# Altium PCB Freezer_Power.PcbDoc (part 1 of 3) (continued)
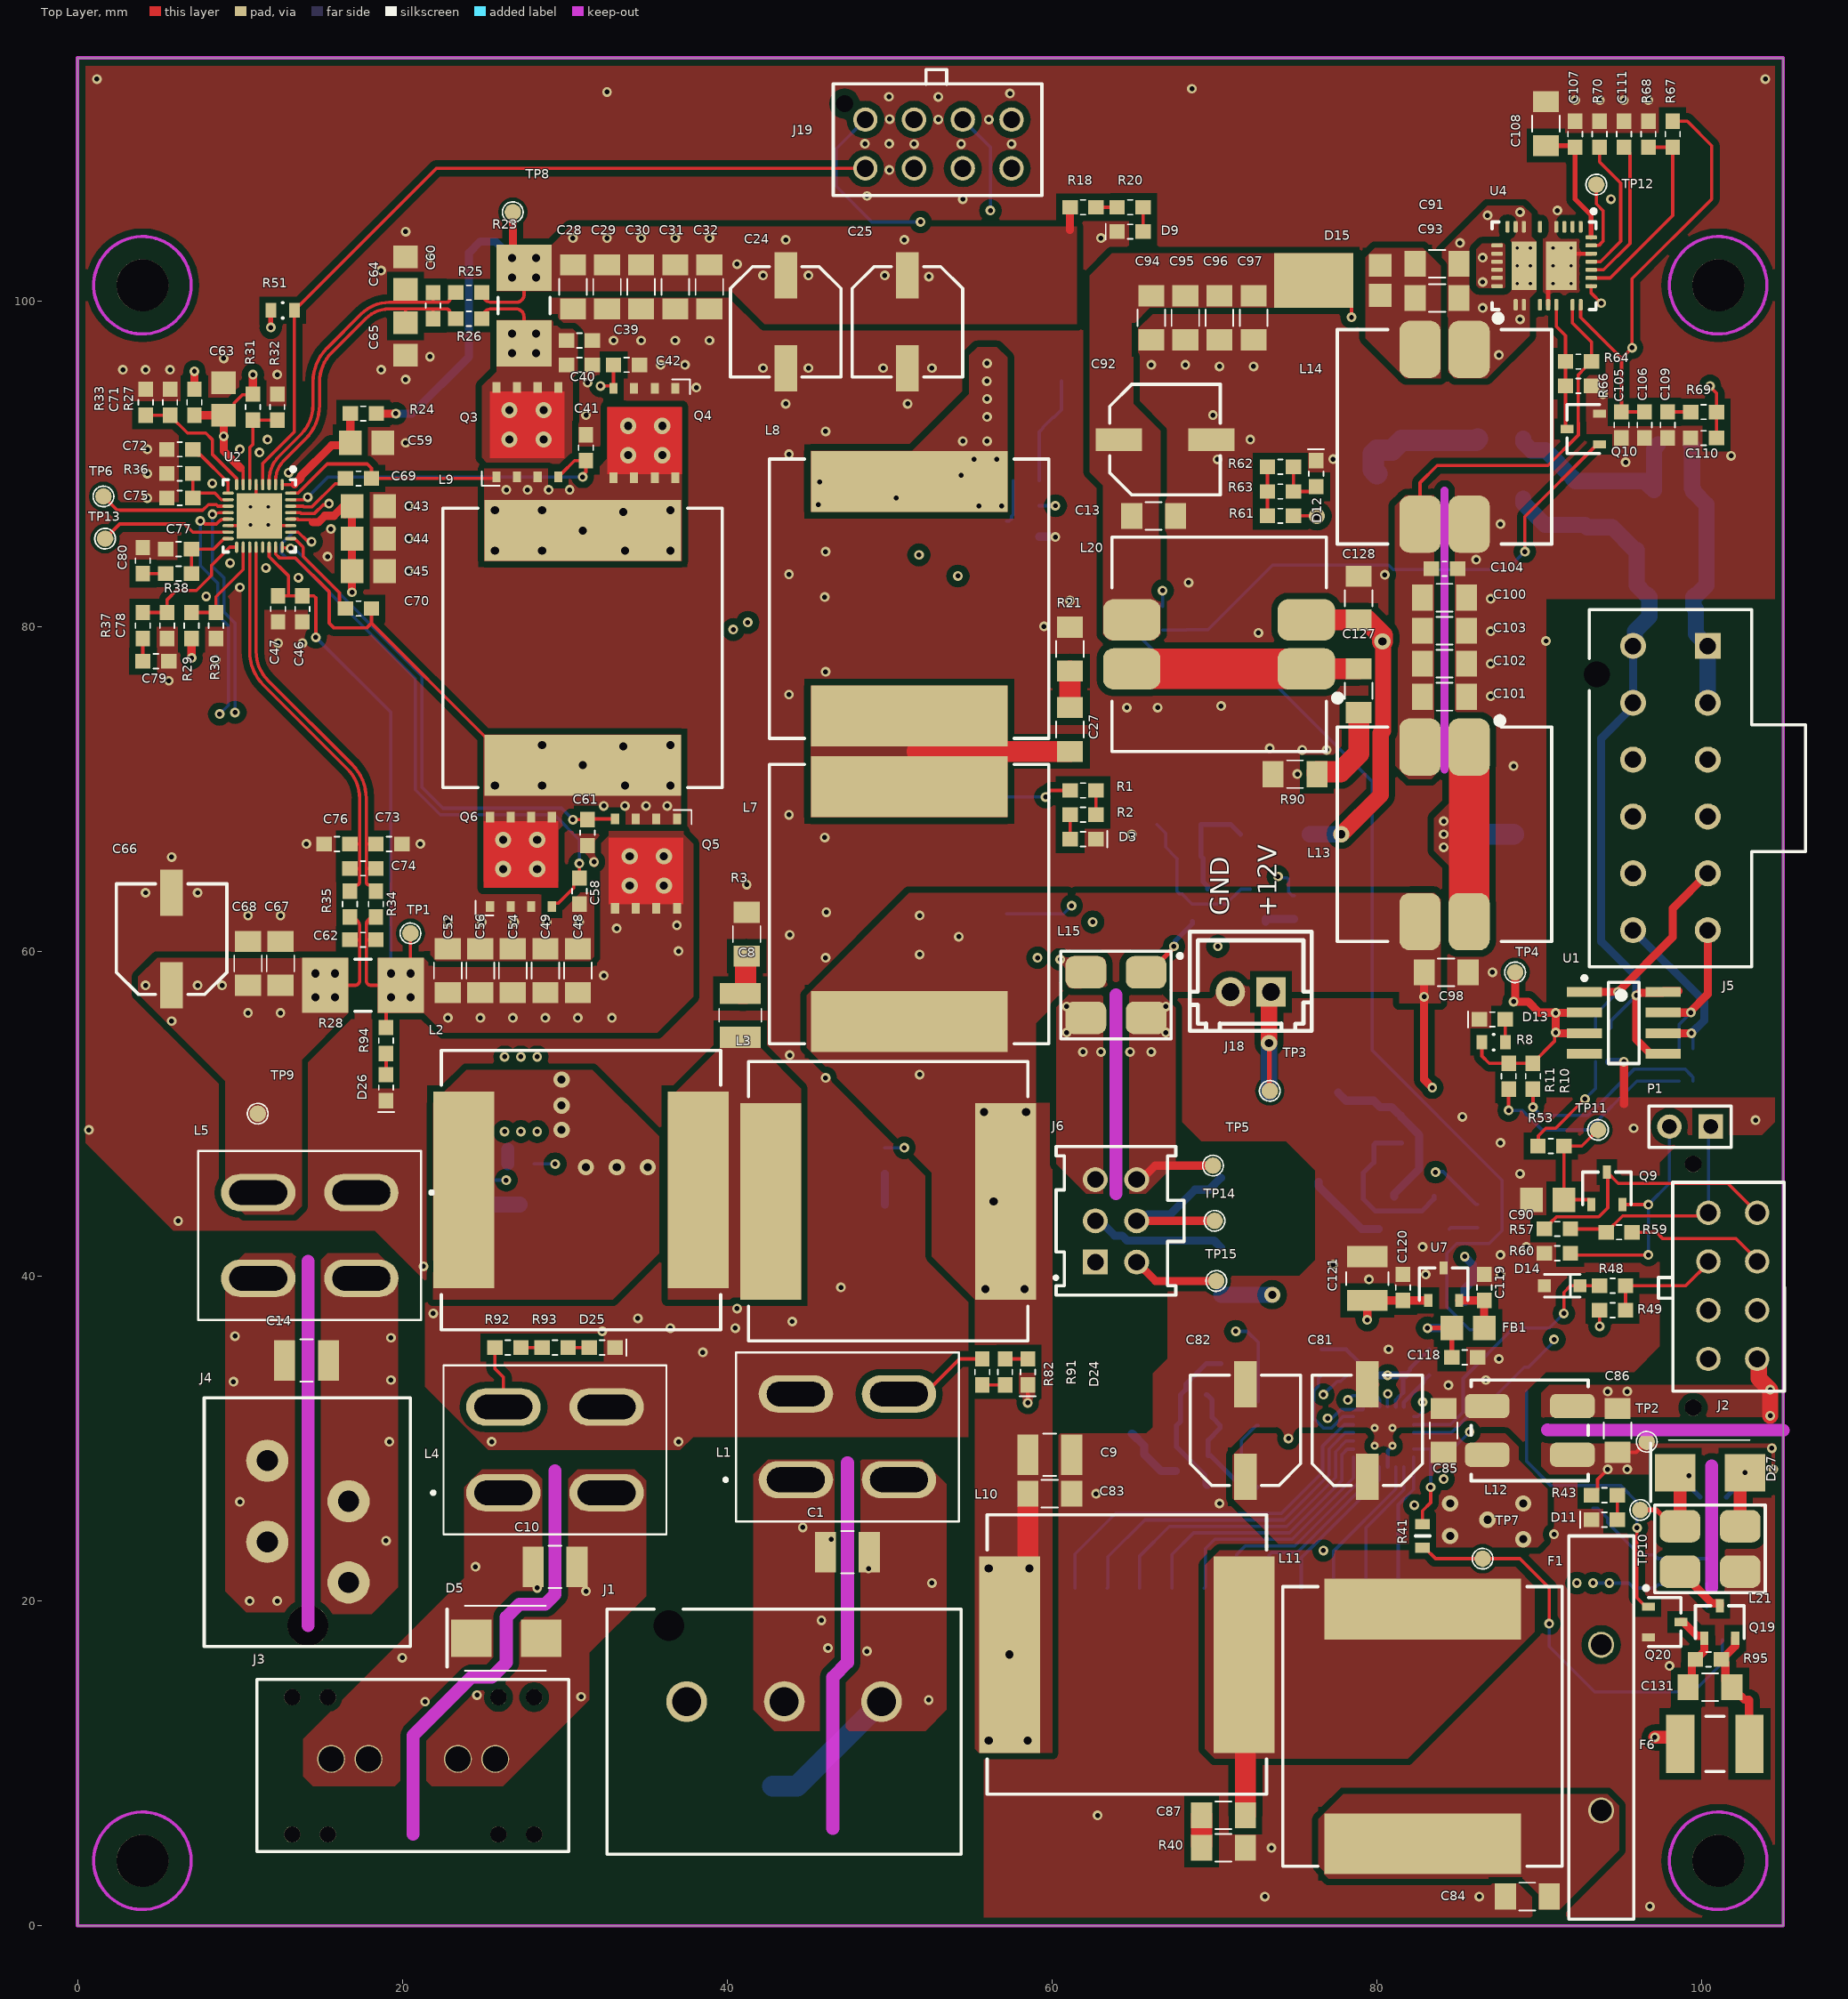
[diagram p0: Top Layer view]
## Design rules (kind name [scope] priority, off if disabled: settings)
Clearance Clearance_polygon [All vs InPolygon] p1: gap=0.4 ignorepadtopadclearanceinfootprint=TRUE
Clearance CLR_CHASSIS [InNet('CHASSIS') vs InAnyNet] p2: gap=4 ignorepadtopadclearanceinfootprint=TRUE
Clearance CLR_KO_SIG [IsKeepOut and OnSignal] p3: gap=0 ignorepadtopadclearanceinfootprint=TRUE
Clearance CLR_KO [OnLayer('Keep-Out Layer')] p4: gap=0.2 ignorepadtopadclearanceinfootprint=TRUE
Clearance CLR_BR [InComponent('BR*')] p5: gap=0 ignorepadtopadclearanceinfootprint=TRUE
Clearance [All] p6: gap=0.2 ignorepadtopadclearanceinfootprint=TRUE
DiffPairsRouting [All] p1: maxlimit=0.5 minlimit=0.15 mostfreqgap=0.2 toplayer_minwidth=0.15 toplayer_maxwidth=2 toplayer_prefwidth=0.2 midlayer1_minwidth=0.15 midlayer1_maxwidth=2 midlayer1_prefwidth=0.2 midlayer2_minwidth=0.15 midlayer2_maxwidth=2 midlayer2_prefwidth=0.2 midlayer3_minwidth=0.15 midlayer3_maxwidth=2 midlayer3_prefwidth=0.2 midlayer4_minwidth=0.15 midlayer4_maxwidth=2 midlayer4_prefwidth=0.2 bottomlayer_minwidth=0.15 bottomlayer_maxwidth=2 bottomlayer_prefwidth=0.2 maxuncoupledlength=12.7
Height [All] p1: minheight=0 maxheight=100 prefheight=12.7
HoleSize [All] p1: absolutevalues=TRUE maxlimit=5 minlimit=0.025 maxpercent=80.000 minpercent=20.000
MinimumSolderMaskSliver [All] p1: minsoldermaskwidth=0.01
PolygonConnect [All] p1: connectstyle=Direct reliefconductorwidth=0.254 reliefentries=4 polygonreliefangle="90 Angle" airgapwidth=0.254
RoomDefinition U_Power [InComponentClass('U_Power')] p1: confinementstyle=ConfineIn formatcopy=TRUE lockcomponents=FALSE outline 104.05,33.9 104.05,114.6 62.3,114.6 62.3,33.9
RoomDefinition RoomDefinition_7 [OnBottom and InAnyComponent] p2: confinementstyle=ConfineOut formatcopy=TRUE lockcomponents=FALSE outline 4,1 cw(c4,4) 1,4 cw(c4,4) 4,7 cw(c4,4) 7,4 cw(c4,4)
RoomDefinition RoomDefinition_6 [OnTop and InAnyComponent] p3: confinementstyle=ConfineOut formatcopy=TRUE lockcomponents=FALSE outline 4,1 cw(c4,4) 1,4 cw(c4,4) 4,7 cw(c4,4) 7,4 cw(c4,4)
RoomDefinition RoomDefinition_5 [OnBottom and InAnyComponent] p4: confinementstyle=ConfineOut formatcopy=TRUE lockcomponents=FALSE outline 101,1 cw(c101,4) 98,4 cw(c101,4) 101,7 cw(c101,4) 104,4 cw(c101,4)
RoomDefinition RoomDefinition_4 [OnTop and InAnyComponent] p5: confinementstyle=ConfineOut formatcopy=TRUE lockcomponents=FALSE outline 101,1 cw(c101,4) 98,4 cw(c101,4) 101,7 cw(c101,4) 104,4 cw(c101,4)
RoomDefinition RoomDefinition_3 [OnBottom and InAnyComponent] p6: confinementstyle=ConfineOut formatcopy=TRUE lockcomponents=FALSE outline 101,98 cw(c101,101) 98,101 cw(c101,101) 101,104 cw(c101,101) 104,101 cw(c101,101)
RoomDefinition RoomDefinition_2 [OnTop and InAnyComponent] p7: confinementstyle=ConfineOut formatcopy=TRUE lockcomponents=FALSE outline 101,98 cw(c101,101) 98,101 cw(c101,101) 101,104 cw(c101,101) 104,101 cw(c101,101)
RoomDefinition RoomDefinition_1 [OnBottom and InAnyComponent] p8: confinementstyle=ConfineOut formatcopy=TRUE lockcomponents=FALSE outline 4,98 cw(c4,101) 1,101 cw(c4,101) 4,104 cw(c4,101) 7,101 cw(c4,101)
RoomDefinition [OnTop and InAnyComponent] p9: confinementstyle=ConfineOut formatcopy=TRUE lockcomponents=FALSE outline 4,98 cw(c4,101) 1,101 cw(c4,101) 4,104 cw(c4,101) 7,101 cw(c4,101)
RoomDefinition U_BatteryCharger [InComponentClass('U_BatteryCharger')] p10: confinementstyle=ConfineIn formatcopy=TRUE lockcomponents=FALSE outline -4.9,48.1 71.6,48.1 71.6,107.3 -4.9,107.3
RoomDefinition U_12VOutIface [InComponentClass('U_12VOutIface')] p11: confinementstyle=ConfineIn formatcopy=TRUE lockcomponents=FALSE outline 52.3,22.8 109.9,22.8 109.9,105.6 52.3,105.6
RoomDefinition U_CompressorIface [InComponentClass('U_CompressorIface')] p12: confinementstyle=ConfineIn formatcopy=TRUE lockcomponents=FALSE outline 111.379,-2.5 111.379,58.039 54.9,58.039 54.9,-2.5
RoutingVias [All] p1: holewidth=0.3 width=0.6 viastyle="Through Hole" minholewidth=0.15 minwidth=0.45 maxholewidth=1 maxwidth=2
SilkToSilkClearance [All] p1: silktosilkclearance=0
SilkToSolderMaskClearance [IsPad] p1: minsilkscreentomaskgap=0 clearancetoexposedcopper=TRUE
SolderMaskExpansion [All] p1: expansion=0.102 istentingtop=FALSE
Width [All] p1: maxlimit=10 minlimit=0.15 preferedwidth=0.2
24 further rules are at their usual default settings.

## Classes and differential pairs
net class HI_POWER: +10-25V +10-25V_C_F +10-25V_OR AC1_N AC1_P ACDC+ ACDC_F CMPRSR+ CMPRSR_SW DCDC+ DCDC_F NetC8_2 NetC38_2 NetC87_2 SR1_N SR1_P
component class U_Power: C13 C91 C92 C93 C94 C95 C96 C97 C98 C99 C100 C101 C102 C103 C104 C105 C106 C107 C108 C109 C110 C111 C118 C119 C120 C121 C127 C128 D12 D13 D15 FB1 J18 L13 L14 L20 Q10 Q12 R6 R8 R13 R14 R16 R61 R62 R63 R64 R65 R66 R67 R68 R69 R70 R90 TP3 TP4 TP12 U4 U7
component class U_CompressorIface: C81 C82 C83 C84 C85 C86 C87 C88 C90 C131 C132 D10 D11 D14 D27 F1 F6 L10 L11 L12 L21 P1 Q7 Q8 Q9 Q19 Q20 R9 R39 R40 R41 R42 R43 R44 R48 R49 R53 R57 R59 R60 R95 TP2 TP7 TP10 TP11
component class U_BatteryCharger: C23 C24 C25 C26 C27 C28 C29 C30 C31 C32 C33 C34 C35 C36 C37 C38 C39 C40 C41 C42 C43 C44 C45 C46 C47 C48 C49 C50 C51 C52 C53 C54 C55 C56 C57 C58 C59 C60 C61 C62 C63 C64 C65 C66 C67 C68 C69 C70 C71 C72 C73 C74 C75 C76 C77 C78 C79 C80 C129 C130 D9 L7 L8 L9 Q1 Q2 Q3 Q4 Q5 Q6 R18 R19 R20 R21 R22 R23 R24 R25 R26 R27 R28 R29 R30 R31 R32 R33 R34 R35 R36 R37 R38 R51 TP1 TP6 TP8 TP9 TP13 U2
component class U_12VOutIface: C21 C22 C89 C122 C123 C124 D17 D18 D19 F3 F4 F5 L15 L18 L19 Q11 Q13 Q14 Q16 Q17 Q18 R17 R45 R46 R47 R50 R52 TP5 TP14 TP15
component class TopLevel: C1 C2 C3 C4 C5 C6 C7 C8 C9 C10 C11 C12 C14 C15 C16 C17 C18 C19 C20 C113 C114 D1 D2 D3 D4 D5 D6 D7 D8 D20 D24 D25 D26 F2 J1 J2 J3 J4 J5 J6 J7 J8 J9 J10 J11 J12 J13 J14 J15 J16 J17 J19 L1 L2 L3 L4 L5 L6 L16 L17 R1 R2 R3 R4 R5 R7 R10 R11 R12 R15 R78 R79 R82 R91 R92 R93 R94 R97 U1 U5
differential pair SR: +SR_P -SR_N
differential pair SR1: +SR1_P -SR1_N
differential pair AC: +AC_P -AC_N
differential pair AC1: +AC1_P -AC1_N

## Components (designator, comment, footprint, x,y, rotation, side; value= is the part's Value field where it differs from the comment)
C1 "10uF, 100V" 1210 47.4,23 r0 top
C2 "10uF, 100V" 1210 47.6,37.1 r0 bottom
C3 "100uF, 35V" CAPAE7866X80L 48.9,68.4 r180 bottom
C4 "100uF, 35V" CAPAE7866X80L 48.9,75.8 r180 bottom
C5 "100uF, 35V" CAPAE7866X80L 48.95,61 r180 bottom
C6 "100uF, 35V" CAPAE7866X80L 48.9,90.6 r180 bottom
C7 "10uF, 100V" 1210 38.5,38.15 r90 bottom
C8 "10uF, 100V" 1210 40.8,56.05 r270 top
C9 "10uF, 100V" 1210 59.85,29 r180 top
C10 "10uF, 100V" 1210 29.4,22.1 r180 top
C11 "10uF, 100V" 1210 29.4,36.3 r180 bottom
C12 "10uF, 100V" 1210 21.6,47.55 r90 bottom
C13 "10uF, 50V" 1206 66.25,86.8 r180 top
C14 "10uF, 100V" 1210 14.1,34.8 r180 top
C15 "100uF, 35V" CAPAE7866X80L 48.9,83.2 r180 bottom
C16 "4700pF, 250VAC" 2220-2.5_CAP 40.15,8.6 r0 bottom
C17 "4700pF, 250VAC" 2220-2.5_CAP 41.8,20.829 r0 bottom
C18 "10uF, 100V" 1210 82.8,90.1 r90 bottom
C19 "10uF, 100V" 1210 92.8,87.6 r90 bottom
C20 "10uF, 100V" 1210 98.121,81.202 r0 bottom
C21 "10uF, 50V" 1206 67.8,67.8 r180 bottom
C22 "10uF, 50V" 1206 79.8,49.45 r270 bottom
C23 "100uF, 35V" CAPAE7866X80L 48.95,53.6 r180 bottom
C24 "100uF, 35V" CAPAE7866X80L 43.6,98.75 r270 top
C25 "100uF, 35V" CAPAE7866X80L 51.093,98.75 r270 top
C26 "10uF, 50V" 1206 56.15,59.3 r180 bottom
C27 "10uF, 50V" 1206 61.1,73.65 r270 top
C28 "10uF, 50V" 1206 30.5,100.9 r90 top
C29 "10uF, 50V" 1206 32.6,100.9 r90 top
C30 "10uF, 50V" 1206 34.7,100.9 r90 top
C31 "10uF, 50V" 1206 36.8,100.9 r90 top
C32 "10uF, 50V" 1206 38.9,100.9 r90 top
C33 "10uF, 50V" 1206 30.5,100.9 r90 bottom
C34 "10uF, 50V" 1206 32.6,100.9 r90 bottom
C35 "10uF, 50V" 1206 34.7,100.9 r90 bottom
C36 "10uF, 50V" 1206 36.8,100.9 r90 bottom
C37 "10uF, 50V" 1206 38.9,100.9 r90 bottom
C38 "1uF, 50V" 0805 58.443,92.202 r180 bottom
C39 "10nF, 100V" 0603 30.9,97.6 r180 top
C40 "1nF, 100V" 0603 30.9,96.1 r180 top
C41 "DNP" 0603 31.3,91 r90 top value="100pF, 50V"
C42 "DNP" 0603 33.8,96.1 r0 top value="100pF, 50V"
C43 "1uF, 50V" 0805 17.9,87.4 r180 top
C44 "1uF, 50V" 0805 17.9,85.4 r180 top
C45 "1uF, 50V" 0805 17.9,83.4 r180 top
C46 "10nF, 100V" 0603 13.85,81.075 r90 top
C47 "1nF, 100V" 0603 12.35,81.075 r90 top
C48 "10uF, 50V" 1206 30.8,58.8 r270 top
C49 "10uF, 50V" 1206 28.8,58.8 r270 top
C50 "10uF, 50V" 1206 30.8,58.8 r270 bottom
C51 "10uF, 50V" 1206 28.8,58.8 r270 bottom
C52 "10uF, 50V" 1206 22.8,58.8 r270 top
C53 "10uF, 50V" 1206 24.8,58.8 r270 bottom
C54 "10uF, 50V" 1206 26.8,58.8 r270 top
C55 "10uF, 50V" 1206 26.8,58.8 r270 bottom
C56 "10uF, 50V" 1206 24.8,58.8 r270 top
C57 "10uF, 50V" 1206 22.8,58.8 r270 bottom
C58 "DNP" 0603 30.9,63.7 r270 top value="100pF, 50V"
C59 "1uF, 50V" 0805 17.8,91.3 r180 top
C60 "10nF, 100V" 0603 21.895,99.745 r90 top
C61 "DNP" 0603 31.4,67.3 r270 top value="100pF, 50V"
C62 "0.1uF, 50V" 0603 17.575,60.7 r0 top
C63 "1uF, 50V" 0805 9,94 r270 top
C64 "33nF, 100V" 0805_CAP 20.195,101.745 r270 top
C65 "33nF, 100V" 0805_CAP 20.2,97.7 r90 top
C66 "100uF, 35V" CAPAE7866X80L 5.8,60.75 r90 top
C67 "10uF, 50V" 1206 12.5,59.25 r270 top
C68 "10uF, 50V" 1206 10.5,59.25 r270 top
C69 "47nF, 50V" 0603 17.3,89.1 r180 top
C70 "47nF, 50V" 0603 17.3,81.1 r180 top
C71 "100pF, 50V" 0603 5.7,93.8 r90 top
C72 "100pF, 50V" 0603 6.3,90.9 r0 top
C73 "DNP" 0603 19.175,66.6 r0 top value="68nF, 50V"
C74 "DNP" 0603 17.575,65.1 r0 top value="68nF, 50V"
C75 "10nF, 100V" 0603 6.3,87.9 r0 top
C76 "DNP" 0603 15.975,66.6 r180 top value="68nF, 50V"
C77 "33pF, 100V" 0603 6.225,84.75 r0 top
C78 "15pF, 100V" 0603 5.525,80.05 r90 top
C79 "680pF, 100V" 0603 4.825,77.85 r180 top
C80 "4.7nF, 100V" 0603 4.025,84.05 r270 top
C81 "100uF, 35V" CAPAE7866X80L 79.4,30.5 r90 top
C82 "100uF, 35V" CAPAE7866X80L 71.9,30.5 r90 top
C83 "10uF, 50V" 1206 59.85,26.6 r180 top
C84 "10uF, 50V" 1206 89.25,1.8 r0 top
C85 "10uF, 50V" 1206 84.1,30.5 r270 top
C86 "10uF, 50V" 1206 94.8,30.5 r270 top
C87 "10uF, 50V" 1206 70.55,6.8 r0 top
C88 "1uF, 50V" 0805 97.1,21.8 r270 bottom
C89 "0.1uF, 50V" 0603 67.3,43 r90 bottom
C90 "DNP" 0805 90.5,44.7 r0 top value="0.1uF, 50V"
C91 "10uF, 50V" 1206 83.7,102.32 r180 top
C92 "100uF, 35V" CAPAE7866X80L 66.95,91.5 r0 top
C93 "10uF, 50V" 1206 83.7,100.22 r180 top
C94 "10uF, 50V" 1206 66.1,98.996 r90 top
C95 "10uF, 50V" 1206 68.2,98.996 r90 top
C96 "10uF, 50V" 1206 70.3,98.996 r90 top
C97 "10uF, 50V" 1206 72.4,98.996 r90 top
C98 "10uF, 50V" 1206 84.25,58.696 r180 top
C99 "10uF, 50V" 1206 84.05,67.2 r180 bottom
C100 "10uF, 50V" 1206 84.154,81.765 r180 top
C101 "10uF, 50V" 1206 84.154,75.669 r180 top
C102 "10uF, 50V" 1206 84.154,77.701 r180 top
C103 "10uF, 50V" 1206 84.154,79.733 r180 top
C104 "10nF, 100V" 0603 84.154,83.543 r180 top
C105 "10nF, 100V" 0603 95.05,92.4 r90 top
C106 "1uF, 25V" 0603 96.473,92.4 r90 top
C107 "10nF, 100V" 0603 92.2,110.3 r270 top
C108 "10uF, 50V" 1206 90.4,110.95 r270 top
C109 "10nF, 100V" 0603 97.896,92.4 r90 top
C110 "100pF, 50V" 0603 100.1,91.591 r0 top
C111 "0.1uF, 50V" 0603 95.2,110.3 r90 top
C113 "0.1uF, 50V" 0603 81.708,34.688 r90 bottom
C114 "0.1uF, 50V" 0603 79.608,34.688 r90 bottom
C118 "0.1uF, 50V" 0603 85.4,35 r0 top
C119 "0.1uF, 50V" 0603 86.6,39.3 r90 top
C120 "0.1uF, 50V" 0603 81.6,39.3 r90 top
C121 "10uF, 100V" 1210 79.4,39.85 r270 top
C122 "0.1uF, 50V" 0603 63.93,49 r0 bottom
C123 "10uF, 50V" 1206 69,30.8 r0 bottom
C124 "0.1uF, 50V" 0603 63.9,39 r0 bottom
C127 "10uF, 50V" 1206 78.875,76.04 r90 top
C128 "10uF, 50V" 1206 78.875,81.74 r270 top
C129 "100uF, 35V" CAPAE7866X80L 43.6,98.75 r270 bottom
C130 "100uF, 35V" CAPAE7866X80L 51.093,98.75 r270 bottom
C131 "10uF, 50V" 1206 100.5,14.694 r180 top
C132 "0.1uF, 50V" 0603 100.7,26.4 r180 bottom
D1 "SDT30B100D1-13" DPAK 45.907,42.113 r180 bottom
D2 "SMBJ28CAQ-13-F" SMB 47.4,16.9 r180 bottom
D3 "RED" 0603_DIODE_K1A2 61.9,66.9 r0 top
D4 "SDT30B100D1-13" DPAK 30.993,42.087 r0 bottom
D5 "SMBJ28CAQ-13-F" SMB 26.4,17.7 r0 top
D6 "SDT30B100D1-13" DPAK 31.093,51.187 r0 bottom
D7 "SMBJ28CAQ-13-F" SMB 14.1,34.8 r0 bottom
D8 "SMBJ28CAQ-13-F" SMB 98.129,84.7 r180 bottom
D9 "RED" 0603_DIODE_K1A2 64.8,104.3 r180 top
D10 "SMBJ28A-13-F" SMB 97.4,30.5 r90 bottom
D11 "RED" 0603_DIODE_K1A2 94,25 r180 top
D12 "RED" 0603_DIODE_K1A2 76.25,89.4 r90 top
D13 "RED" 0603_DIODE_K1A2 87.1,55.8 r180 top
D14 "MM3Z3V6ST1G" SOD323 91.4,39.4 r0 top
D15 "SBRT10U50SP5-13" DPAK184P650X115-3L 77.4,101.3 r180 top
D17 "SMBJ28A-13-F" SMB 63.93,51.9 r180 bottom
D18 "SMBJ28A-13-F" SMB 70.4,43.9 r270 bottom
D19 "SMBJ28A-13-F" SMB 63.1,36.3 r180 bottom
D20 "V3PM10-M3/H" SMP 98.7,88.4 r0 bottom
D24 "RED" 0603_DIODE_K1A2 58.5,34.1 r270 top
D25 "RED" 0603_DIODE_K1A2 32.3,35.6 r0 top
D26 "RED" 0603_DIODE_K1A2 19,51.6 r270 top
D27 "SMBJ28A-13-F" SMB 100.5,27.9 r0 top
F1 "10A, 32V" RAD_TH_1.3DIAx10.2Px27.9H 93.8,12.2 r270 top
F2 "0.75A, 33V" 1812_CAP 77.646,89.7 r180 bottom
F3 "1.5A, 24V" 1812_CAP 73.725,67.2 r0 bottom
F4 "1.5A, 24V" 1812_CAP 75.475,51.3 r180 bottom
F5 "1.5A, 24V" 1812_CAP 70.4,36.725 r90 bottom
F6 "1.5A, 24V" 1812_CAP 100.8,11.2 r180 top
FB1 "1.5k@100MHz" 0805 85.6,36.8 r0 top
J1 "1-1969688-3" CONN_TE_1-1969688-3 43.513,11.95 r180 top locked
J2 "2068320823" CONN_206832-0823 101.9,39.4 r90 top
J3 "2042274-2" CONN_TE_2042274-2 20.653,10.262 r180 top locked
J4 "1-2232001-2" CONN_TE_1-2232001-2 14.2,24.9 r0 top locked
J5 "1722982212" CONN_MOLEX_1722982212 98.058,70.033 r270 top
J6 "IPL1-103-01-L-D-K" CONN_SAMTEC_IPL1-103-XX-X-D 63.93,43.4 r90 top
J7 "1.5x3.5" PAD_15_35 81.308,20.788 r180 bottom
J8 "1.5x3.5" PAD_15_35 79.318,20.788 r180 bottom
J9 "1.5x3.5" PAD_15_35 77.328,20.788 r180 bottom
J10 "1.5x3.5" PAD_15_35 75.338,20.788 r180 bottom
J11 "1.5x3.5" PAD_15_35 73.348,20.788 r180 bottom
J12 "1.5x3.5" PAD_15_35 71.358,20.788 r180 bottom
J13 "1.5x3.5" PAD_15_35 69.368,20.788 r180 bottom
J14 "1.5x3.5" PAD_15_35 67.378,20.788 r180 bottom
J15 "1.5x3.5" PAD_15_35 65.388,20.788 r180 bottom
J16 "1.5x3.5" PAD_15_35 63.398,20.788 r180 bottom
J17 "1.5x3.5" PAD_15_35 61.408,20.788 r180 bottom
J18 "Header 2" CONN-TH_2P-P2.50_HX25003-2A 72.225,57.5 r180 top
J19 "MC-254-08-00-ST-DIP" CONN_206832 53,109.7 r0 top
L1 "100R@100MHz, 75A" FIL_CM5441Z101B-10 47.4,30.1 r0 top
L2 "4.7uH, 26A" INDM178169X70N 31,45.3 r0 top
L3 "4.7uH, 26A" INDM178169X70N 49.9,44.6 r0 top
L4 "100R@100MHz, 75A" FIL_CM5441Z101B-10 29.4,29.3 r0 top
L5 "100R@100MHz, 75A" FIL_CM5441Z101B-10 14.3,42.5 r180 top
L6 "1.1k@100MHz, 2A" PLCC440P435X370X235-4L#1 87.6,89.7 r180 bottom
L7 "4.7uH, 26A" INDM178169X70N 51.2,62.9 r90 top locked
L8 "4.7uH, 26A" INDM178169X70N 51.2,81.7 r90 top
L9 "4.7uH, 26A" INDM178169X70N 31.1,78.675 r270 top
L10 "4.7uH, 26A" INDM178169X70N 64.6,16.7 r0 top
L11 "4.7uH, 26A" INDM178169X70N 82.8,12.275 r270 top
L12 "140R@100MHz, 9A" CHOKE_SMD_7.0X6.0X3.8 89.4,30.5 r0 top
L13 "6.6uH, 3.7A" PLCC300P1250X1250X600-4N 84.154,67.196 r270 top
L14 "6.6uH, 3.7A" PLCC300P1250X1250X600-4N 84.154,91.671 r270 top
L15 "1.1k@100MHz, 2A" PLCC440P435X370X235-4L#2 63.93,57.3 r270 top
L16 "90R@100Mhz" BOURNS_SRF2012 94.3,53.2 r90 bottom
L17 "90R@100Mhz" BOURNS_SRF2012 99.45,52 r90 bottom
L18 "1.1k@100MHz, 2A" PLCC440P435X370X235-4L#2 63.048,31.7 r90 bottom
L19 "1.1k@100MHz, 2A" PLCC440P435X370X235-4L#2 75,43.948 r180 bottom
L20 "6.6uH, 3.7A" PLCC300P1250X1250X600-4N 70.275,78.89 r180 top locked
L21 "1.1k@100MHz, 2A" PLCC440P435X370X235-4L#2 100.5,23.2 r90 top
P1 "Header 2" HDR1X2 100.54,49.2 r180 top
Q1 "MCU45P03A-TP" DPAK 58.287,98.893 r90 bottom
Q2 "DMN67D8L-7" SOT23-3 58.209,86.475 r270 bottom
Q3 "GT52N10D5" 8-PowerSMD 27.695,91.95 r90 top
Q4 "GT52N10D5" 8-PowerSMD 34.9,91.9 r270 top
Q5 "GT52N10D5" 8-PowerSMD 35,65.4 r270 top
Q6 "GT52N10D5" 8-PowerSMD 27.3,65.5 r90 top
Q7 "MCU45P03A-TP" DPAK 89.507,23.413 r180 bottom locked
Q8 "DMN67D8L-7" SOT23-3 100.3,18.6 r180 bottom
Q9 "DMN67D8L-7" SOT23-3 94.15,45.4 r0 top
Q10 "DMN67D8L-7" SOT23-3 92.7,92.15 r90 top
Q11 "DMP3056L-7" SOT23-3 68.628,62.841 r0 bottom
Q12 "BSS308PE-HXY" SOT23-3 85.4,37.4 r180 bottom
Q13 "DMN67D8L-7" SOT23-3 72.184,62.823 r180 bottom
Q14 "DMN67D8L-7" SOT23-3 72.6,28 r0 bottom
Q16 "DMP3056L-7" SOT23-3 80.1,43.9 r0 bottom
Q17 "DMN67D8L-7" SOT23-3 83.5,43.9 r180 bottom
Q18 "DMP3056L-7" SOT23-3 68.6,28 r270 bottom
Q19 "DMP3056L-7" SOT23-3 101.1,18.7 r0 top
Q20 "DMN67D8L-7" SOT23-3 97.7,18.7 r270 top
R1 "1k, 1%, 1/10W" 0603 61.9,69.9 r180 top
R2 "1k, 1%, 1/10W" 0603 61.9,68.4 r180 top
R3 "2R, 1%, 1/4W" 1206 41.2,61.05 r270 top
R4 "10k, 1%, 1/10W" 0603 49.7,47.1 r270 bottom
R5 "DNP" 0805 98.3,91.2 r0 bottom value=0R
R6 "CR0603-FX-10R0ELF" FP-CR0603-MFG 66.8,80.5 r270 bottom
R7 "10k, 1%, 1/10W" 0603 24.6,45.2 r270 bottom
R8 "ERJ-PA3J331V" FP-ERJPA3-MFG 87.175,54.4 r0 top
R9 "CR0603-FX-10R0ELF" FP-CR0603-MFG 89.2,33.675 r270 bottom
R10 "10k, 1%, 1/10W" 0603 89.6,52.3 r270 top
R11 "10k, 1%, 1/10W" 0603 88.1,52.3 r270 top
R12 "10k, 1%, 1/10W" 0603 56.4,62.3 r180 bottom
R13 "10k, 1%, 1/10W" 0603 68.3,80.6 r90 bottom
R14 "10k, 1%, 1/10W" 0603 85.1,39.7 r180 bottom
R15 "10k, 1%, 1/10W" 0603 27.3,46.9 r180 bottom
R16 "CR0603-FX-10R0ELF" FP-CR0603-MFG 65.4,80.6 r270 bottom
R17 "10k, 1%, 1/10W" 0603 68.5,65.7 r180 bottom
R18 "1k, 1%, 1/10W" 0603 61.9,105.8 r180 top
R19 "100k, 1%, 1/10W" 0603 58.409,90.475 r180 bottom
R20 "1k, 1%, 1/10W" 0603 64.8,105.8 r0 top
R21 "2R, 1%, 1/4W" 1206 61.1,78.6 r270 top
R22 "CRCW060350R0FKEA" FP-CRCW0603-e3-IPC_A 58.409,88.975 r0 bottom
R23 "0.005R, 1%, 3W" 2512_RES_1 27.495,99.745 r270 top
R24 "1R, 1%, 1/10W" 0603 17.6,93.1 r0 top
R25 "4.99R, 1%, 1/10W" 0603 24.095,100.545 r0 top
R26 "4.99R, 1%, 1/10W" 0603 24.095,98.945 r0 top
R27 "10R, 1%, 1/10W" 0603 7.2,93.8 r270 top
R28 "0.005R, 1%, 3W" 2512_RES_1 17.575,57.9 r0 top
R29 "100k, 1%, 1/10W" 0603 7.025,80.05 r270 top
R30 "300k, 1%, 1/10W" 0603 8.525,80.05 r90 top
R31 "300k, 1%, 1/10W" 0603 10.8,93.5 r90 top
R32 "220k, 1%, 1/10W" 0603 12.3,93.5 r90 top
R33 "191k, 1%, 1/10W" 0603 4.2,93.8 r270 top
R34 "10R, 1%, 1/10W" 0603 18.375,62.9 r270 top
R35 "10R, 1%, 1/10W" 0603 16.775,62.9 r270 top
R36 "26.7k, 1%, 1/10W" 0603 6.3,89.4 r0 top
R37 "15k, 1%, 1/10W" 0603 4.025,80.05 r90 top
R38 "42.2k, 1%, 1/10W" 0603 6.225,83.25 r0 top
R39 "100k, 1%, 1/10W" 0603 98.8,21.8 r270 bottom
R40 "2R, 1%, 1/4W" 1206 70.55,4.8 r180 top
R41 "CR0603-FX-10R0ELF" FP-CR0603-MFG 82.8,24 r270 top
R42 "CR0603-FX-10R0ELF" FP-CR0603-MFG 100.3,21.8 r90 bottom
R43 "10k, 1%, 1/10W" 0603 94,26.5 r180 top
R44 "10k, 1%, 1/10W" 0603 100.4,16.1 r0 bottom
R45 "CR0603-FX-10R0ELF" FP-CR0603-MFG 74.9,62.7 r270 bottom
R46 "10k, 1%, 1/10W" 0603 81.5,49 r270 bottom
R47 "CR0603-FX-10R0ELF" FP-CR0603-MFG 86.2,43.7 r270 bottom
R48 "10k, 1%, 1/10W" 0603 94.5,39.4 r180 top
R49 "DNP" 0603 94.5,37.9 r0 top value="10k, 1%, 1/10W"
R50 "10k, 1%, 1/10W" 0603 68.7,32.7 r0 bottom
R51 "ERJ-PA3J331V" FP-ERJPA3-MFG 12.631,99.456 r0 top
R52 "CR0603-FX-10R0ELF" FP-CR0603-MFG 72.7,31.525 r270 bottom
R53 "0R, 1/10W" 0603 90.7,48 r0 top
R57 "1.5k, 1%, 1/10W" 0603 91.1,42.9 r180 top
R59 "100k, 1%, 1/10W" 0603 94.9,42.7 r180 top
R60 "DNP" 0603 91.1,41.4 r0 top value="300k, 1/10W"
R61 "100R, 1%, 1/10W" 0603 74.05,86.8 r0 top
R62 "1k, 1%, 1/10W" 0603 74.05,89.822 r0 top
R63 "1k, 1%, 1/10W" 0603 74.05,88.3 r0 top
R64 "300k, 1%, 1/10W" 0603 92.4,96.3 r0 top
R65 "2R, 1%, 1/4W" 1206 88.4,68.55 r270 bottom
R66 "48.7k, 1%, 1/10W" 0603 92.4,94.8 r0 top
R67 "100k, 1%, 1/10W" 0603 98.2,110.3 r90 top
R68 "15k, 1%, 1/10W" 0603 96.7,110.3 r270 top
R69 "10k, 1%, 1/10W" 0603 100.104,93.2 r180 top
R70 "7.15k, 1%, 1/10W" 0603 93.7,110.3 r270 top
R78 "10k, 1%, 1/10W" 0603 83.208,34.688 r270 bottom
R79 "10k, 1%, 1/10W" 0603 78.108,34.688 r270 bottom
R82 "1k, 1%, 1/10W" 0603 55.7,34.1 r270 top
R90 "2R, 1%, 1/4W" 1206 74.95,70.9 r0 top
R91 "1k, 1%, 1/10W" 0603 57.1,34.1 r90 top
R92 "1k, 1%, 1/10W" 0603 26.5,35.6 r0 top
R93 "1k, 1%, 1/10W" 0603 29.4,35.6 r0 top
R94 "1k, 1%, 1/10W" 0603 19,54.5 r270 top
R95 "10k, 1%, 1/10W" 0603 100.4,16.4 r180 top
R97 "10k, 1%, 1/10W" 0603 76.588,34.692 r270 bottom
TP1 "Test Point" "TEST POINT 40 Mil" 20.5,61.1 r90 top
TP2 "Test Point" "TEST POINT 40 Mil" 96.6,29.8 r90 top
TP3 "Test Point" "TEST POINT 40 Mil" 73.4,51.4 r90 top
TP4 "Test Point" "TEST POINT 40 Mil" 88.5,58.7 r90 top
TP5 "Test Point" "TEST POINT 40 Mil" 69.9,46.8 r90 top
TP6 "Test Point" "TEST POINT 40 Mil" 1.6,88 r90 top
TP7 "Test Point" "TEST POINT 40 Mil" 86.5,22.6 r90 top
TP8 "Test Point" "TEST POINT 40 Mil" 26.8,105.5 r90 top
TP9 "Test Point" "TEST POINT 40 Mil" 11.1,50 r90 top
TP10 "Test Point" "TEST POINT 40 Mil" 96.2,25.6 r90 top
TP11 "Test Point" "TEST POINT 40 Mil" 93.6,49 r90 top
TP12 "Test Point" "TEST POINT 40 Mil" 93.5,107.2 r90 top
TP13 "Test Point" "TEST POINT 40 Mil" 1.7,85.4 r90 top
TP14 "Test Point" "TEST POINT 40 Mil" 70,43.4 r90 top
TP15 "Test Point" "TEST POINT 40 Mil" 70.1,39.7 r90 top
U1 "STSP84050U800" SOIC127P600X163-8N 95.2,55.6 r0 top
U2 "BQ25731RSNR" QFN40P400X400X80_HS-33L 11.2,86.8 r270 top
U4 "LT3959IUHE#PBF" QFN50P500X600X80_LT_UHEMA 90.285,102.2 r270 top
U5 "PI4IOE5V6416ZDEX" QFN50P400X400X90_HS-25L 80.4,30.1 r180 bottom
U7 "TS3480CX33 RFG" SOT23-3 84.1,39.5 r0 top

## Footprints (in the part's own frame and the unit in brackets; to place one, negate y for a bottom-side part, rotate by r counter-clockwise, add the part's x,y. Pads: shape width x height; smd on the part's side, far side on the other; paste and mask are expansions set on the pad)
8-PowerSMD [mm]
  rect 0.65x0.5 smd paste-0.05 mask+0.051: 1(-2.75,1.905) 2(-2.75,0.635) 3(-2.75,-0.635) 4(-2.75,-1.905) 5(2.75,-1.905) 6(2.75,-0.635) 7(2.75,0.635) 8(2.75,1.905)
  Top Layer region: -1.6,-2.3 2.52,-2.3 2.52,2.3 -1.6,2.3
  silkscreen extent -3.3,1.7 -2.4,2.8, body extent -2.82,-2.65 2.83,2.65, height 1
0603 [mm] "Chip Capacitor, 2-Leads, Body 1.60x0.80mm, IPC Medium Density"
  rect 0.95x0.9 smd: 1(-0.8,0) 2(0.8,0)
  silkscreen extent -0.15,-0.45 0.15,0.45, body extent -0.85,-0.45 0.85,0.45, height 0.6
0603_DIODE_K1A2 [mm] "Chip Capacitor, 2-Leads, Body 1.60x0.80mm, IPC Medium Density"
  rect 0.95x0.9 smd: 1(-0.8,0) 2(0.8,0)
  silkscreen extent -0.15,-0.5 1.5,0.5, body extent -0.85,-0.45 0.85,0.45, height 0.6
0805 [mm] "Generic 0805 Footprint"
  rect 1.4x1.5 smd: 1(-1,0) 2(1,0)
  body extent -1.01,-0.62 0.99,0.63, height 0.45
0805_CAP [mm] "Generic 0805 Footprint"
  rect 1.4x1.5 smd: 1(-1,0) 2(1,0)
  body extent -1,-0.63 1,0.63, height 1.4
1206 [mm] "Generic 1206"
  rect 1.3x1.6 smd: 1(-1.35,0) 2(1.35,0)
  silkscreen extent -0.5,-0.85 0.5,0.85, body extent -1.6,-0.81 1.6,0.81, height 0.57
1210 [mm] "Generic 1210"
  rect 1.3x2.5 smd: 1(-1.35,0) 2(1.35,0)
  silkscreen extent -0.4,-1.3 0.4,1.3, body extent -1.6,-1.25 1.6,1.25, height 0.55
1812_CAP [mm]
  rect 1.75x3.6 smd: 1(-2.125,0) 2(2.125,0)
  silkscreen extent -0.55,-1.7 0.55,1.7, body extent -2.55,-1.85 2.55,1.85, height 2.8
2220-2.5_CAP [mm] "Chip Capacitor, 2-Leads, Body 5.70x5.00mm, IPC High Density"
  rect 1.3x5.05 smd: 1(-2.65,0) 2(2.65,0)
  silkscreen extent -1.4,-2.43 1.4,2.42, body extent -2.85,-2.5 2.85,2.5, height 2.5
2512_RES_1 [mm]
  rect 2.85x3.4 smd: 1(-2.325,0) 2(2.325,0)
  silkscreen extent -0.5,-1.6 0.5,1.6, body extent -3.4,-1.7 3.4,1.7, height 1
BOURNS_SRF2012 [mm] "Bourns Common Mode Choke"
  rect 0.9x0.4 smd: 1(0,0) 2(2,0) 3(2,-0.85) 4(0,-0.85)
  silkscreen extent 0.67,-0.43 1.33,-0.43, body extent 0,-1.02 2,0.18, height 1.2
CAPAE7866X80L [mm] "Aluminum Electrolytic Capacitor, Body 6.60x6.60x8.00mm, IPC High Density"
  rect 2.85x1.4 smd: 1(-2.85,0) 2(2.85,0)
  silkscreen extent -3.4,-3.4 3.4,3.4, body extent -3.9,-3.4 3.9,3.4, height 8
CHOKE_SMD_7.0X6.0X3.8 [mm] "Common mode choke 38.5 x 26.5 x 35 with 20.5 x 24.5 lead spacing and 1.6mm wire diameter."
  rrect50% 2.75x1.5 smd: 1(-2.625,1.5) 2(-2.625,-1.5) 3(2.625,-1.5) 4(2.625,1.5)
  silkscreen extent -3.6,-3.1 3.6,3.1, body extent -3.5,-3 3.5,3, height 3.8
CONN-TH_2P-P2.50_HX25003-2A [mm]
  rect 1.8x1.8 hole 1.1 paste+0 mask+0.05: 1(-1.25,0)
  round 1.8 hole 1.1 paste+0 mask+0.05: 2(1.25,0)
  silkscreen extent -3.75,-3.7 3.75,2.41, body extent -3.61,-3.35 3.61,2.49, height 7.21
CONN_206832 [mm]
  round 0 hole 1.05 unplated: 0(-5.78,2.48)
  round 1.5 hole 1.05: 1(-4.5,1.5) 2(-4.5,-1.5) 3(-1.5,1.5) 4(-1.5,-1.5) 5(1.5,1.5) 6(1.5,-1.5) 7(4.5,1.5) 8(4.5,-1.5)
  silkscreen extent -6.48,-3.18 6.37,4.57, body extent -6.43,-3.43 6.43,4.83, height 9.95
CONN_206832-0823 [mm]
  round 1.5 hole 1.05: 1(-4.5,1.5) 2(-4.5,-1.5) 3(-1.5,1.5) 4(-1.5,-1.5) 5(1.5,1.5) 6(1.5,-1.5) 7(4.5,1.5) 8(4.5,-1.5)
  round 1.02 hole 1.02 unplated: ""(-7.5,2.44) ""(7.5,2.44)
  silkscreen extent -6.48,-3.18 6.37,4.57, body extent -8.08,-3.97 8.08,4.8, height 10.03
CONN_MOLEX_1722982212 [mm]
  round 1.5 hole 1.6 unplated: 0(-7.013,-4.53)
  rect 1.6x1.6 hole 1.02: 1(-8.763,2.3)
  round 1.6 hole 1.02: 2(-5.263,2.3) 3(-1.763,2.3) 4(1.737,2.3) 5(5.237,2.3) 6(8.737,2.3) 7(-8.763,-2.3) 8(-5.263,-2.3) 9(-1.763,-2.3) 10(1.737,-2.3) 11(5.237,-2.3) 12(8.737,-2.3)
  silkscreen extent -11,-5 11,8.31, body extent -11.51,-5.93 11.49,7.98, height 14.01
CONN_SAMTEC_IPL1-103-XX-X-D [mm]
  rect 1.53x1.53 hole 1.02: 1(-2.54,1.27)
  round 1.53 hole 1.02: 2(0,1.27) 3(2.54,1.27) 4(-2.54,-1.27) 5(0,-1.27) 6(2.54,-1.27)
  silkscreen extent -4.57,-4.2 4.57,3.8, body extent -4.57,-4.19 4.57,3.68, height 8.14
CONN_TE_1-1969688-3 [mm]
  round 1.8 hole 1.9 unplated mask+0.102: 0(7.113,-6.54)
  round 2.5 hole 1.78: 1(-5.987,-1.85) 2(0,-1.863) 3(6.013,-1.85)
  silkscreen extent -10.89,-7.55 10.91,7.55, body extent -10.84,-7.46 10.86,7.49, height 18.31
CONN_TE_1-2232001-2 [mm]
  round 2.5 hole 2.5 unplated: 0(-0.013,-6.413)
  round 2.6 hole 1.3: 1(2.487,-3.763) 1(2.487,1.237) 2(-2.513,-1.263) 2(-2.513,3.737)
  silkscreen extent -6.4,-7.7 6.3,7.6, body extent -6.16,-7.51 6.14,7.44, height 12.81
CONN_TE_2042274-2 [mm]
  round 1 hole 1 unplated: 0(-7.46,-3.813) 0(-7.46,4.637) 0(-5.266,4.637) 0(-5.265,-3.813) 0(5.24,4.637) 0(5.24,-3.813) 0(7.434,-3.813) 0(7.434,4.637)
  round 1.72 hole 1.56: 1(2.737,-0.013) 1(5.037,-0.013) 2(-5.063,-0.013) 2(-2.763,-0.013)
  silkscreen extent -9.6,-4.9 9.6,5.7, body extent -9.46,-4.74 9.44,5.56, height 11.16
DPAK [mm]
  rect 3x1.4 smd: 1(-3.793,2.287) 3(-3.793,-2.313)
  rect 6x6.5 smd: 2(2.707,-0.013)
  silkscreen extent -5.29,-3.31 -0.72,3.29, body extent -5.03,-3.31 5.37,3.36, height 2.41
DPAK184P650X115-3L [mm] "TO, 3-Pads, Body 5.83x5.39mm (max), IPC High Density"
  rect 1.4x1.4 smd: 1(-2.8,-0.92) 1(-2.8,0.92)
  rect 4.86x3.36 smd: 2(1.3,0)
  body extent -3.05,-2.02 3.2,2.03, height 1.15
FIL_CM5441Z101B-10 [mm] "Common mode choke 38.5 x 26.5 x 35 with 20.5 x 24.5 lead spacing and 1.6mm wire diameter."
  oval 4.58x2.29 hole 1.52 slot 3.56 at 0 deg: 1(-3.175,-2.64) 2(3.175,-2.64) 3(3.175,2.64) 4(-3.175,2.64)
  silkscreen extent -7.6,-5.21 6.86,5.21, body extent -6.86,-5.21 6.86,5.21, height 10.77
FP-CR0603-MFG [mm]
  rect 0.65x0.9 smd paste+0 mask+0: 1(-0.725,0) 2(0.725,0)
  silkscreen extent 0,-0.45 0,0.45, body extent -0.8,-0.4 0.8,0.4, height 0.55
FP-CRCW0603-e3-IPC_A [mm]
  rect 1.135x1.062 smd paste+0 mask+0: 1(-0.815,0) 2(0.815,0)
  silkscreen extent -0.75,-0.95 0.75,0.95, body extent -0.77,-0.43 0.77,0.43, height 0.5
FP-ERJPA3-MFG [mm]
  rect 0.65x0.9 smd paste+0 mask+0: 1(-0.725,0) 2(0.725,0)
  silkscreen extent -0.03,-0.48 0.03,0.48, body extent -0.8,-0.4 0.8,0.4, height 0.55
HDR1X2 [mm] "Connector; Header; 2 Position"
  rect 1.5x1.5 hole 0.9: 1(0,0)
  round 1.5 hole 0.9: 2(2.54,0)
  silkscreen extent -1.27,-1.27 3.81,1.27
INDM178169X70N [mm] "Molded Inductor, 2-Leads, Body 17.80x16.90mm, IPC Medium Density"
  rect 3.75x12.1 smd: 1(-7.225,0) 2(7.225,0)
  silkscreen extent -8.6,-8.6 8.6,8.6, body extent -8.82,-8.6 8.82,8.6, height 7
PAD_15_35 [mm] "Solder pad 1.5mmx3.5mm"
  rrect25% 1.5x3.5 smd mask+0.051: 1(0,0)
  body extent -0.75,-1.75 0.75,1.75, height 0.05
PLCC300P1250X1250X600-4N [mm] "Leaded Chip Carrier, 4-Leads, Body 12.50x12.50mm, Pitch 3.000mm, IPC Medium Density"
  rrect50% 3.53x2.54 smd: 1(-5.375,1.51) 2(-5.375,-1.51) 3(5.375,-1.51) 4(5.375,1.51)
  silkscreen extent -7.2,-6.6 6.6,6.6, body extent -6.45,-6.45 6.45,6.45, height 6
PLCC440P435X370X235-4L#1 [mm] "Leaded Chip Carrier, 4-Leads, Body 4.35x3.70mm, Pitch 4.400mm, IPC High Density"
  rrect50% 2x2.5 smd: 1(1.4,1.852) 2(-1.4,1.852) 3(-1.4,-1.852) 4(1.4,-1.852)
  silkscreen extent -2.7,-3.4 2.7,3.92, body extent -2.37,-2.65 2.37,2.65, height 2.35
PLCC440P435X370X235-4L#2 [mm] "Leaded Chip Carrier, 4-Leads, Body 4.35x3.70mm, Pitch 4.400mm, IPC High Density"
  rrect50% 2x2.5 smd: 1(-1.4,1.852) 2(1.4,1.852) 3(1.4,-1.852) 4(-1.4,-1.852)
  silkscreen extent -2.7,-3.4 2.7,4.06, body extent -2.37,-2.65 2.37,2.65, height 2.35
QFN40P400X400X80_HS-33L [mm] "QFN, 32-Leads, Body 4.00x4.00mm, Pitch 0.40mm, Thermal Pad 2.80x2.80mm, IPC High Density"
  oval 0.7x0.2 smd mask+0.051: 1(-1.925,1.4) 2(-1.925,1) 3(-1.925,0.6) 4(-1.925,0.2) 5(-1.925,-0.2) 6(-1.925,-0.6) 7(-1.925,-1) 8(-1.925,-1.4) 17(1.925,-1.4) 18(1.925,-1) 19(1.925,-0.6) 20(1.925,-0.2) 21(1.925,0.2) 22(1.925,0.6) 23(1.925,1) 24(1.925,1.4)
  oval 0.2x0.7 smd mask+0.051: 9(-1.4,-1.925) 10(-1,-1.925) 11(-0.6,-1.925) 12(-0.2,-1.925) 13(0.2,-1.925) 14(0.6,-1.925) 15(1,-1.925) 16(1.4,-1.925) 25(1.4,1.925) 26(1,1.925) 27(0.6,1.925) 28(0.2,1.925) 29(-0.2,1.925) 30(-0.6,1.925) 31(-1,1.925) 32(-1.4,1.925)
  rect 2.8x2.8 smd mask+0.051: 33(0,0)
  silkscreen extent -3,-2.22 2.22,2.22, body extent -2.08,-2.08 2.08,2.08, height 0.8
QFN50P400X400X90_HS-25L [mm] "QFN, 24-Leads, Body 4.00x4.00mm, Pitch 0.50mm, Thermal Pad 2.45x2.45mm, IPC High Density"
  oval 0.8x0.25 smd mask+0.051: 1(-1.85,1.25) 2(-1.85,0.75) 3(-1.85,0.25) 4(-1.85,-0.25) 5(-1.85,-0.75) 6(-1.85,-1.25) 13(1.85,-1.25) 14(1.85,-0.75) 15(1.85,-0.25) 16(1.85,0.25) 17(1.85,0.75) 18(1.85,1.25)
  oval 0.25x0.8 smd mask+0.051: 7(-1.25,-1.85) 8(-0.75,-1.85) 9(-0.25,-1.85) 10(0.25,-1.85) 11(0.75,-1.85) 12(1.25,-1.85) 19(1.25,1.85) 20(0.75,1.85) 21(0.25,1.85) 22(-0.25,1.85) 23(-0.75,1.85) 24(-1.25,1.85)
  rect 2.45x2.45 smd mask+0.051: 25(0,0)
  silkscreen extent -2.79,-2.2 2.2,2.2, body extent -2.05,-2.05 2.05,2.05, height 0.9
QFN50P500X600X80_LT_UHEMA [mm] "QFN, 36-Leads, Body 5.00x6.00mm, Pitch 0.50mm, Thermal Pad 3.00x4.00mm, IPC High Density"
  rrect50% 0.7x0.25 smd mask+0.051: 1(-2.4,2.25) 2(-2.4,1.75) 3(-2.4,1.25) 4(-2.4,0.75) 6(-2.4,-0.25) 8(-2.4,-1.25) 9(-2.4,-1.75) 10(-2.4,-2.25) 20(2.4,-1.75) 21(2.4,-1.25) 23(2.4,-0.25) 24(2.4,0.25) 25(2.4,0.75) 27(2.4,1.75) 28(2.4,2.25)
  rrect50% 0.25x0.7 smd mask+0.051: 12(-1.25,-2.9) 13(-0.75,-2.9) 14(-0.25,-2.9) 15(0.25,-2.9) 16(0.75,-2.9) 17(1.25,-2.9) 30(1.25,2.9) 31(0.75,2.9) 32(0.25,2.9) 33(-0.25,2.9) 34(-0.75,2.9) 35(-1.25,2.9) 36(-1.75,2.9)
  rect 3x1.88 smd mask+0.051: 37(0,1.06)
  rect 3x1.53 smd mask+0.051: 38(0,-1.235)
  silkscreen extent -3.47,-3.2 2.7,3.2, body extent -2.55,-3.05 2.55,3.05, height 0.8
RAD_TH_1.3DIAx10.2Px27.9H [mm]
  round 1.6 hole 1.3: 1(-5.1,0) 2(5.1,0)
  silkscreen extent -11.8,-2 11.8,2, body extent -11.75,-2.01 11.75,1.99, height 27.9
SMB [mm] "SMB diode"
  rect 2.5x2.3 smd: 1(2.15,0) 2(-2.15,0)
  silkscreen extent -3.65,-2 2.45,2, body extent -2.79,-1.97 2.79,1.97, height 2.6
SMP [mm] "SODFL, 2-Leads, Body 2.03x3.85mm, IPC High Density"
  rect 0.8x1.3 smd: 1(-1.65,0)
  rect 2.54x2.76 smd: 2(0.78,0)
  silkscreen extent -1.8,-1.3 2.3,1.3, body extent -1.92,-1.09 1.93,1.09, height 1.15
SOD323 [mm] "Generic Diode"
  rect 0.8x0.8 smd: 1(-1.1,0) 2(1.1,0)
  silkscreen extent -1.1,-0.7 1.1,0.7, body extent -1.35,-0.62 1.35,0.62, height 1.1
SOIC127P600X163-8N [mm]
  rect 2.15x0.6 smd: 1(-2.438,1.892) 2(-2.438,0.622) 3(-2.438,-0.648) 4(-2.438,-1.918) 5(2.412,-1.918) 6(2.412,-0.648) 7(2.412,0.622) 8(2.412,1.892)
  silkscreen extent -2.56,-2.51 0.94,2.87, body extent -3,-2.45 3,2.45, height 1.75
SOT23-3 [mm]
  rect 0.5x0.8 smd: 1(-0.95,-1) 2(0.95,-1) 3(0,1)
  silkscreen extent -1.5,-1 1.5,1, body extent -1.5,-1.25 1.5,1.25, height 1.09
"TEST POINT 40 Mil" [mil] "MFG_PN:"
  round 40 smd paste-999 mask+0: 1(0,0)
  silkscreen extent -25,-25 25,25